# Allegro board RK_EXCAVATOR_MAIN_V12_20161114_FZBFINAL.brd (continued)
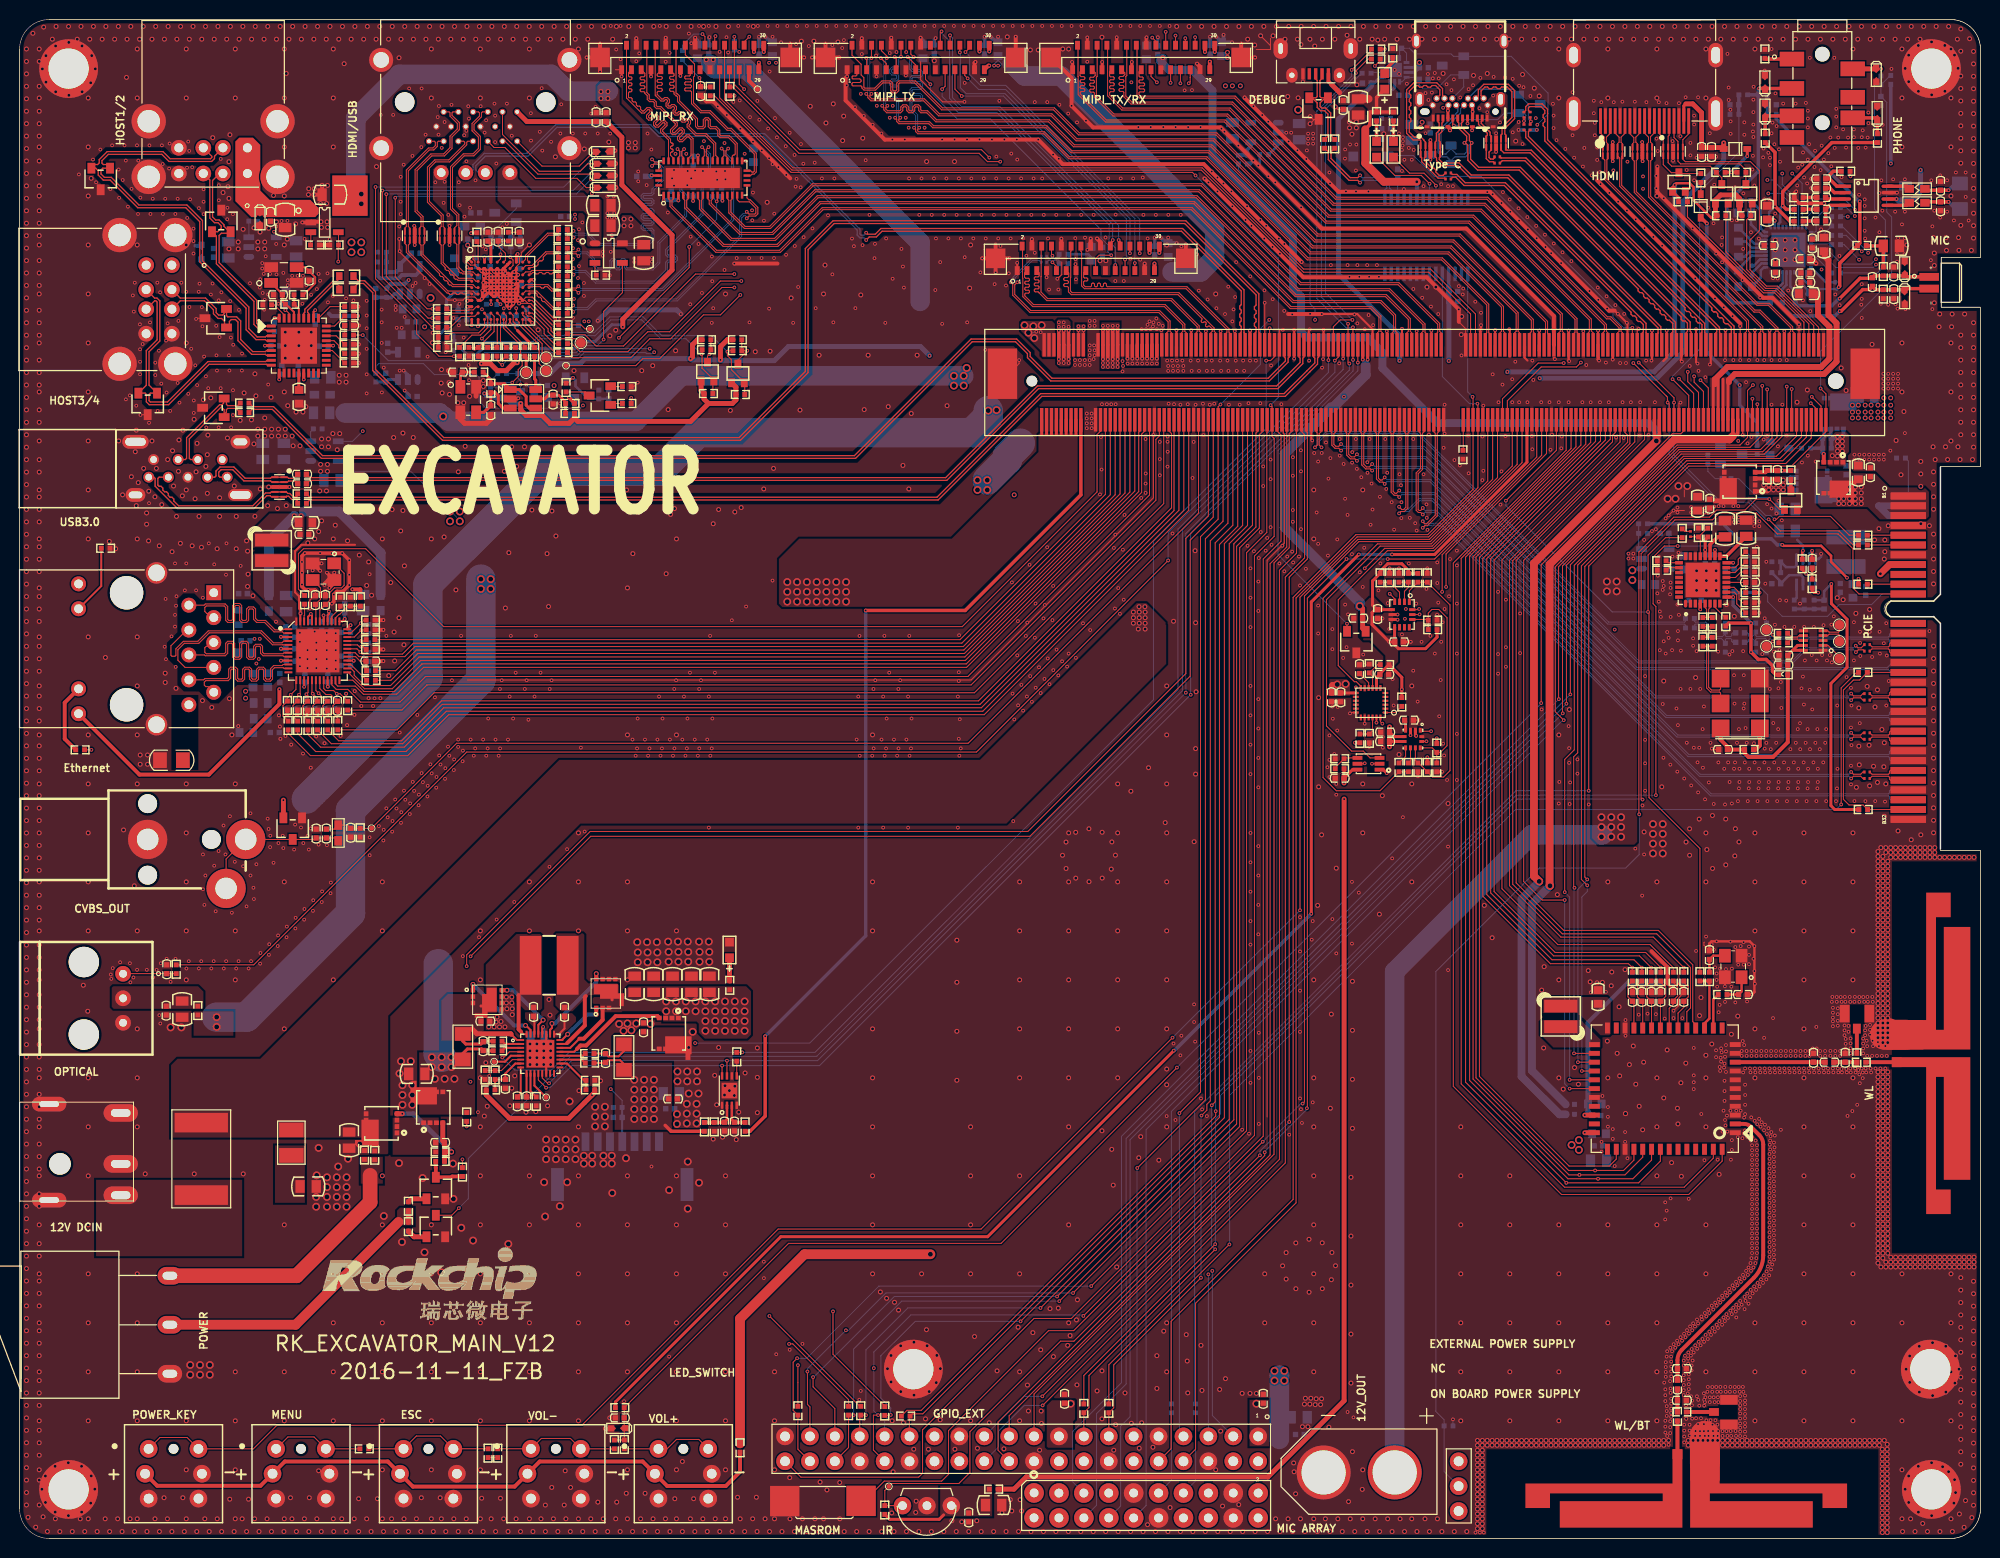
[diagram p0: board, top side]
## Nets (continued)
VCC5V0_FT232_U2: C1401.1 C1402.1 J1400.1(VUSB) LED1403.1(ANODE) R1401.2 R1402.2 U1401.20(VDD-5V)
VCC5V0_HDMI: C4501.1 C4502.2 C8502.1 C8503.2 D4501.1(A) J4501.18 J8501.18(VCC_SYS) J9001.16 J9001.18 R8505.1 R8512.1 R8516.1 R8524.1 R8526.2
VCC5V0_HOST1: C8903.1 C8905.1 ED8901.1 J8901.A1(VBUS_A) J8901.B1(VBUS_B) U8901.1(VOUT)
VCC5V0_HOST2: C8909.1 C8910.1 ED8902.1 J8902.A1(VBUS_A) J8902.B1(VBUS_B) U8905.1(VOUT)
VCC5V0_HOST3: C8924.1 C9010.1 J8501.26(VCC_HOST) U8912.1(VOUT)
VCC5V0_HOST4: C8925.1 C8944.1 CON8901.1(VBUS) U8913.1(VOUT)
VCC5V0_HOST_EN: J9001.90 R8907.1 R8908.1 U8901.4(EN) U8905.4(EN) U8912.4(EN) U8913.4(EN)
VCC5V0_HOST_EN_2: R89549.2 R89550.1 U90010.4(EN)
VCC5V0_SYS: C4602.1 C4605.1 C4704.1 C4705.1 C4707.1 C4708.1 C5005.1 C5006.1 C7127.1 C8325.1 C8940.1 C8941.1 C8942.1 C8943.1 C8946.1 C9008.1 C9009.1 C90047.1 J4601.28(VCC_SYS_0) J4601.29(VCC_SYS_1) J4601.30(VCC_SYS_2) J4701.28(VSYS_0) J4701.29(VSYS_1) J4701.30(VSYS_2) J4702.28(VSYS_0) J4702.29(VSYS_1) J4702.30(VSYS_2) J5001.28(VSYS_0) J5001.29(VSYS_1) J5001.30(VSYS_2) J7101.19 J7101.20 J9001.22 J9001.24 J9001.26 J9001.28 J9002.2(5V-1) J9002.4(5V-2) R7116.1 U7102.6(VDD) U8303.1(IN) U8901.5(IN) U8905.5(IN) U8912.5(IN) U8913.5(IN) U8914.12(VCONN_12) U8914.13(VCONN_13) U90010.5(IN)
VCC18_HDMIIN: C50037.1 C50040.2 C50063.2 Q237.1(GATE) Q8502.1(GATE) Q8503.1(GATE) R8533.2 R8540.2 R8541.2 R89530.1 R89533.1 R89536.1 R89539.1 U8503.K7(VDDIO2) U23031.5(FB/OUT)
VCC33_HDMIIN: C8508.1 C8525.2 C8526.2 C8527.2 C8528.2 C50064.1 C50066.1 L8501.2 Q8505.3(DRAIN) R8520.1 R8531.1 R89529.1 U8503.B1(AVDD33) U8503.G1(AVDD33.2) U8503.K2(VDDIO1)
VCC_1V8: J9001.273 J9001.275 R9021.1
VCC_3V0: C1404.1 C1405.1 C8008.1 J9001.128 J9001.130 Q4501.1(GATE) Q4502.1(GATE) Q4503.1(GATE) R4501.1 R4503.1 R4505.1 R89532.1 R89535.1 R89538.1 U1401.4(VDD-232) U8004.1(VDD)
VCC_BATT: BAT501.1(BAT1+) BAT501.2(BAT2+) BAT501.3(BAT3+) C515.2 C518.1 C522.1 C523.1 R513.2 R515.1 R2233.2
VCC_CHAREG: C502.1 C503.1 J9001.32 J9001.34 J9001.36 J9001.38 J9001.40 J9001.42 J9001.44 Q502.5(DRAIN5) Q502.6(DRAIN6) Q502.7(DRAIN7) Q502.8(DRAIN8) R501.1 R502.1 R506.1
VCC_CHAREG_EN: J9001.65 R501.2
VCC_DC: C501.1 C8316.1 C8317.1 F501.2 Q501.5(DRAIN5) Q501.6(DRAIN6) Q501.7(DRAIN7) Q501.8(DRAIN8) Q8301.5(DRAIN5) Q8301.6(DRAIN6) Q8301.7(DRAIN7) Q8301.8(DRAIN8) R503.1 R504.1
VCC_SYS: C505.1 C508.1 C509.1 C511.1 C512.1 J9001.1 J9001.3 J9001.5 J9001.7 J9001.9 J9001.11 J9001.13 J9001.15 Q504.2(D1_1) Q504.3(D1_2) Q504.4(D1_3) Q505.1(SOURCE1) Q505.2(SOURCE2) Q505.3(SOURCE3) R511.1 U501.22(SYS)
VCCA1V8_CODEC: C7111.1 C7112.1 C7129.1 C7130.1 C7131.1 J9001.269 J9001.271 R89545.1 U7101.8(DACREF) U7101.9(AVDD) U7101.18(CPVDD) U7101.39(DBVDD)
VCCA1V8_S3: J9001.189 R8101.2
VCCA3V0_CODEC: C7113.1 C7114.1 C7115.1 J9001.265 J9001.267 U7101.1(MICVDD)
VCCA33_PLL: C8326.1 C8327.1 C8328.1 C8329.1 C8330.1 FB8301.2 FB8302.1 R8306.1 R8307.1 R8315.2 R8328.1 R8329.1 U8302.9(VCC_VCO) U8302.16(VCC_PLL2) U8302.18(VCC_PLL1) U8302.20(VCC_IN) U8303.5(FB/OUT)
VCCA33_PLL2: C8331.1 FB8302.2 U8302.4(VCC_OUT)
VCCA33_SI: C8301.1 C8302.1 C9011.1 FB8301.1 R9016.1 U8301.9(VDD1) U8301.10(VDD2) U8916.6(VDD)
VDD1V0_RGMII: C2630.1 C2631.1 FB2601.1 FB2603.1 L2601.2
VDD12_HDMIIN: C8515.1 C8516.2 C8517.2 C8518.2 C8519.2 C8520.2 C8521.2 C8522.2 C50060.1 R8944.1 U8503.A1(AVDD12.1) U8503.A3(VDDC2.1) U8503.A8(VDD_PLL11) U8503.D10(VDD_MIPI) U8503.H1(AVDD12.2) U8503.K1(VDDC1) U8503.K10(VDDC2.2) U8911.5(FB/OUT)
VDDA: C516.2 R514.1 R516.2 U501.28(REGN)
VDDIO_WL: C6117.1 C6118.1 R6105.1 R6106.1 R6107.1 R6108.1 R6109.1 R9021.2 R9022.2 U6101.34(VDDIO)
#MIPI_RX0_CLKN: J4601.8(MIPI_CLKN) U4601.28(4B2)
#MIPI_RX0_CLKP: J4601.9(MIPI_CLKP) U4601.27(5B2)
#MIPI_RX0_D0N: J4601.14(MIPI_D0N) U4601.20(8B2)
#MIPI_RX0_D0P: J4601.15(MIPI_D0P) U4601.21(9B2)
#MIPI_RX0_D1N: J4601.11(MIPI_D1N) U4601.24(6B2)
#MIPI_RX0_D1P: J4601.12(MIPI_D1P) U4601.23(7B2)
#MIPI_RX0_D2N: J4601.5(MIPI_D2N) U4601.33(2B2)
#MIPI_RX0_D2P: J4601.6(MIPI_D2P) U4601.32(3B2)
#MIPI_RX0_D3N: J4601.2(MIPI_D3N) U4601.37(0B2)
#MIPI_RX0_D3P: J4601.3(MIPI_D3P) U4601.36(1B2)
ADKEY_IN: C8101.1 ED8101.1 J9001.253 R8101.1 R8102.1 R8103.1
ALRT_H: R9023.1 U23033.5(ALRT_N)
BATT_TC_L: BAT501.4(NTC) C521.1 J9001.92 R522.1
BOARD_ID: J9001.163 R9013.1
BT_HOST_WAKE_L: J9001.205 U6101.50(BT_HOST_WAKE)
BT_REG_ON_H: J9001.217 U6101.38(BT_REG_ON)
BT_WAKE_L: J9001.207 U6101.49(BT_WAKE)
CABC_EN: J4601.25(MIPI_PDN) J4701.21(CABC_EN) J4702.21(CABC_EN) J5001.21(CABC_EN) J9001.257
CDCM61101__REF_CLKN: R8310.1 U8302.5(OUTN)
CDCM61101__REF_CLKP: R8311.1 U8302.6(OUTP)
CHG_CC_INT_L: J9001.116 R8928.2
CHG_OK_H: J9001.118 R9023.2 U501.4(CHRG_OK)
CLK125: R2601.1 U2601.46(CLK125)
CLKN: C8308.1 R8304.2 R8308.2 R8310.2 R9017.2
CLKP: C8309.1 R8305.2 R8309.2 R8311.2 R9018.2
COMP_INT_L: J9001.177 R8001.2 R8002.1
COMP_INT_L#: R8002.2 U8001.8(DATA_RDY)
CSI_CTL: R4604.1 R9006.2 U4601.12(SEL)
CVBS_OUT: C9001.1 C9004.1 J9001.61 L9001.1 R9012.1 TP9002.1
DC_DET_H: J9001.120 Q507.3(COLLECTOR)
DDC_SCL: J4501.15 Q4501.3(DRAIN) R4502.2 U4501.2(IN2) U4501.9(OUT2)
DDC_SDA: J4501.16 Q4503.3(DRAIN) R4506.2 U4501.4(IN3) U4501.7(OUT3)
DVP_PDN1_H: J9001.193 J9002.22(GPIO25)
EDP_AUXN: C5002.1 J5001.8(LVDS_CLKN) R5002.1
EDP_AUXP: C5001.2 J5001.9(LVDS_CLKP) R5001.2
EDP_TX0N: J5001.2(LVDS_D0N) J9001.54
EDP_TX0P: J5001.3(LVDS_D0P) J9001.56
EDP_TX1N: J5001.5(LVDS_D1N) J9001.60
EDP_TX1P: J5001.6(LVDS_D1P) J9001.62
EDP_TX2N: J5001.11(LVDS_D2N) J9001.66
EDP_TX2P: J5001.12(LVDS_D2P) J9001.68
EDP_TX3N: J5001.14(LVDS_D3N) J9001.72
EDP_TX3P: J5001.15(LVDS_D3P) J9001.74
EDPAUXN: C5002.2 J9001.48
EDPAUXP: C5001.1 J9001.50
ENSWREG: R2629.2 R2631.1 U2601.38(ENSWREG)
GPIO2_A0/CIF_D0: J9001.69 J9002.7(GPIO4) R89549.1
GPIO2_A1/CIF_D1: J9001.71 J9002.11(GPIO17)
GPIO2_A2/CIF_D2: J9001.73 J9002.13(GPIO27) R9007.1
GPIO2_A3/CIF_D3: J9001.75 J9002.15(GPIO22) R9008.1
GPIO2_A4/CIF_D4: J9001.77 J9002.29(GPIO5) R9009.1
GPIO2_A5/CIF_D5: J9001.79 J9002.31(GPIO6) R89543.1
GPIO2_A6/CIF_D6: J9001.81 J9002.33(GPIO13) R9001.1
GPIO2_A7/CIF_D7: J9001.83 J9002.35(GPIO19) Q8503.3(DRAIN) R89537.2 R89538.2
GPIO2_B0/CIF_VSYNC: J9001.87 J9002.37(GPIO26) Q8502.3(DRAIN) R89534.2 R89535.2
GPIO2_B1/CIF_HREF: J9001.85 J9002.36(GPIO16) R9005.1
GPIO2_B2/CIF_CLKI: J9001.89 J9002.38(GPIO20) R9006.1
GPIO2_B3/CIF_CLKO: J9001.91 J9002.40(GPIO21) R4601.1
GPIO2_B4/DVP_PDN0_H: J9001.93 J9002.32(GPIO12) Q237.3(DRAIN) R89531.2 R89532.2
GSENSOR_INT_L: J9001.187 U8002.12(INT)
GYR_INT_L: J9001.185 U8003.4(INT1)
HALL_INT_L: J9001.126 U8004.2(OUT)
HDMI_CEC: J9001.300 Q4502.2(SOURCE) R4503.2
HDMI_RX0+: J8501.7(TX_D0+) U8503.D1(HDMI_D0P) U8505.1(IN1) U8505.10(OUT1)
HDMI_RX0-: J8501.9(TX_D0-) U8503.D2(HDMI_D0N) U8505.2(IN2) U8505.9(OUT2)
HDMI_RX1+: J8501.4(TX_D1+) U8503.E1(HDMI_D1P) U8504.4(IN3) U8504.7(OUT3)
HDMI_RX1-: J8501.6(TX_D1-) U8503.E2(HDMI_D1N) U8504.5(IN4) U8504.6(OUT4)
HDMI_RX2+: J8501.1(TX_D2+) U8503.F1(HDMI_D2P) U8504.1(IN1) U8504.10(OUT1)
HDMI_RX2-: J8501.3(TX_D2-) U8503.F2(HDMI_D2N) U8504.2(IN2) U8504.9(OUT2)
HDMI_RXC+: J8501.10(TX_CLK+) U8503.C1(HDMI_CP) U8505.4(IN3) U8505.7(OUT3)
HDMI_RXC-: J8501.12(TX_CLK-) U8503.C2(HDMI_CN) U8505.5(IN4) U8505.6(OUT4)
HDMI_TX0N: J4501.9 J9001.290 U4503.2(IN2) U4503.9(OUT2)
HDMI_TX0P: J4501.7 J9001.288 U4503.1(IN1) U4503.10(OUT1)
HDMI_TX1N: J4501.6 J9001.284 U4502.5(IN4) U4502.6(OUT4)
HDMI_TX1P: J4501.4 J9001.282 U4502.4(IN3) U4502.7(OUT3)
HDMI_TX2N: J4501.3 J9001.278 U4502.2(IN2) U4502.9(OUT2)
HDMI_TX2P: J4501.1($PIN0) J9001.276 U4502.1(IN1) U4502.10(OUT1)
HDMI_TXCN: J4501.12 J9001.296 U4503.5(IN4) U4503.6(OUT4)
HDMI_TXCP: J4501.10 J9001.294 U4503.4(IN3) U4503.7(OUT3)
HDMIIN_CEC: ED8501.1 J8501.13(CEC) R8520.2 R8521.1
HDMIIN_DDC_SCL: ED8502.1 J8501.15(SCL) R8516.2 R8517.1
HDMIIN_DDC_SDA: ED8503.1 J8501.16(SDA) R8512.2 R8513.1
HDMIIN_HPD: ED8504.1 J8501.19(HPD) R8505.2 R8527.1
HDMIIN_INT: Q237.2(SOURCE) R8533.1 R8537.2 R89531.1 R89533.2 U8503.J4(INT)
HDMIIN_PWREN: R8946.1 R9001.2
HDMIIN_PWREN18: R9005.2 R89527.1
HDMIIN_PWREN33: R8545.1 R89543.2
HDMIIN_RST: Q8503.2(SOURCE) R89537.1 R89539.2 U8503.K6(RESETN)
HDMIIN_STBY: Q8502.2(SOURCE) R89534.1 R89536.2 U8503.K4(STBY)
HOST0_DM: J9001.84 R8904.2
HOST0_DP: J9001.86 R8903.2
HOST1_DM: J8501.27(USB_DM) J9001.78
HOST1_DP: J8501.28(USB_DP) J9001.80
HOST_D1M: J8901.A2(D-_A) U8903.2 U8904.1(USBDM1)
HOST_D1P: J8901.A3(D+_A) U8903.1 U8904.2(USBDP1)
HOST_D2M: J8901.B2(D-_B) U8902.1 U8904.3(USBDM2)
HOST_D2P: J8901.B3(D+_B) U8902.2 U8904.4(USBDP2)
HOST_D3M: J8902.A2(D-_A) U8904.6(USBDM3) U8907.2
HOST_D3P: J8902.A3(D+_A) U8904.7(USBDP3) U8907.1
HOST_D4M: J8902.B2(D-_B) U8904.8(USBDM4) U8906.1
HOST_D4P: J8902.B3(D+_B) U8904.9(USBDP4) U8906.2
HP_DET_H: C7123.1 J9001.311 R7105.1 R7121.1 R89545.2
HP_HOOK: C7119.2 J9001.255 R7118.2 R7120.1
HPOL: R7124.1 R7128.1 U7101.23(HPO_L)
HPOR: R7122.1 R7126.1 U7101.21(HPO_R)
HUB_3V3: C8912.2 C8913.2 C8914.2 C8915.2 C8916.2 C8917.2 C8918.2 L8901.1 R8906.1 U8904.5(VDD33-4) U8904.10(VDD33-3) U8904.15(VDD33-2) U8904.23(VDD33-1) U8904.29(VDD33-6) U8904.36(VDD33-5)
HUB_RESET: C8907.2 R8907.2 U8904.26(RESET_N)
I2C4_SCL_HDMI: R8540.1 R8543.2 U8503.J5(I2C_SCL)
I2C4_SDA_HDMI: R8541.1 R8542.2 U8503.K5(I2C_SDA)
I2C_SCL_AUDIO: J7101.16 J9001.309 R8543.1 U7101.35(SCL)
I2C_SCL_BAT: J9001.122 J9002.5(SCL) R89546.2 U501.13(SCL) U23033.7(SCL)
I2C_SCL_CAM: J4601.23(MIPI_SCL) J9001.249 R4602.1 R8316.1
I2C_SCL_HDMI: J9001.302 Q4501.2(SOURCE) R4501.2
I2C_SCL_MEMS: J9001.195 U8001.1(SCL/SPC) U8002.23(SCL/SCLK) U8003.13(SCL/SPC) U8005.5(SCLK)
I2C_SCL_PCIE: J8301.B5(SMCLK) R8316.2
I2C_SCL_TP: J4701.23(TP_SCL) J4702.23(TP_SCL) J5001.23(TP_SCL) R4602.2
I2C_SDA_AUDIO: J7101.15 J9001.307 R8542.1 U7101.36(SDA)
I2C_SDA_BAT: J9001.124 J9002.3(SDA) R89547.2 U501.12(SDA) U23033.8(SDA)
I2C_SDA_CAM: J4601.24(MIPI_SDA) J9001.247 R4603.1 R8317.1
I2C_SDA_HDMI: J9001.304 Q4503.2(SOURCE) R4505.2
I2C_SDA_MEMS: J9001.197 U8001.11(SDA/SDI/SDO) U8002.24(SDA/SDI) U8003.14(SDA/SDI/SDO) U8005.2(SDAT)
I2C_SDA_PCIE: J8301.B6(SMDAT) R8317.2
I2C_SDA_TP: J4701.24(TP_SDA) J4702.24(TP_SDA) J5001.24(TP_SDA) R4603.2
I2S0_LRCK_RX: J7101.7 J9001.283 R7109.1
I2S0_LRCK_RX_HDMIIN: R8529.2 U7101.28(LRCK2)
I2S0_LRCK_TX: J7101.5 J9001.285 R7110.1
I2S0_SCLK: J7101.3 J9001.281 R7111.1
I2S0_SCLK_HDMIIN: R8528.2 U7101.29(BCLK2)
I2S0_SDI0: J7101.2 J9001.287 R7107.1
I2S0_SDI0_HDMIIN: R8530.2 U7101.27(DACDAT2)
I2S0_SDI1: J7101.10 J9001.289
I2S0_SDO0: J7101.4 J9001.295 R7108.1
I2S0_SDO1: J7101.6 J9001.293
I2S0_SDO2: J7101.8 J9001.291
I2S1_LRCK_RX_BT_PCM: J9001.301 U6101.27(PCM_SYNC)
I2S1_SCLK_BT_PCM: J9001.299 U6101.30(PCM_CLK)
I2S1_SDI0_BT_PCM: J9001.303 U6101.29(PCM_OUT)
I2S1_SDO0_BT_PCM: J9001.305 U6101.28(PCM_IN)
I2S_ADCDAT: R7107.2 U7101.30(ADCDAT1)
I2S_BCLK: R7111.2 U7101.33(BCLK1)
I2S_CLK: J7101.1 J9001.297 R7112.1
I2S_CLK_HDMIIN: R8534.2 TP50265.1
I2S_DACDAT: R7108.2 U7101.31(DACDAT1)
I2S_LRCK: R7109.2 R7110.2 U7101.32(LRCK1)
I2S_MCLK: R7112.2 U7101.34(MCLK)
I2S_MUTE: J7101.11 R7104.2
I2S_RST: J7101.13 R7105.2
INTB: R2625.2 R2634.1 U2601.20(INTB)
IR_RX: IR9001.1(IR) J9001.105 R9014.2 TP50262.1
ISP_FLASHTRIGOUT: J4601.22(FLASH_TRIG) J9001.166
ISP_PRELIGHT_TRIG: J4601.21(PRE_TRIG) J9001.164
LCD_BL_PWM: J4701.17(LCD_PWM_IN) J4702.17(LCD_PWM_IN) J5001.17(LCD_PWM_IN) J9001.263
LCD_EN_H: J4601.26(MIPI_RST) J4701.22(LED_EN) J4702.22(LED_EN) J5001.22(LED_EN) J9001.261
LCD_RST_H: J4601.20(AF_CTL) J4701.20(LCD_RST) J4702.20(LCD_RST) J5001.20(LCD_RST) J9001.259
LED: R9015.2 U8101.6(LED+) U8102.6(LED+) U8104.6(LED+) U8105.6(LED+) U8917.6(LED+)
LED0_AD0: R2602.2 R2603.1 R2637.1 U2601.34(LED0/PHYAD0)
LED1_AD1: J2601.11(G+) R2604.2 R2605.1 U2601.35(LED1/PHYAD1)
LED2_RXDLY: R2611.2 R2612.1 U2601.32(LED2_RXDLY)
LIGHT_INT_L: J9001.183 U8005.3(INT)
LSM_CS: R8009.1 R8011.2 R8017.1 R8019.2 U8001.10(CS/SPI) U8003.12(CS)
LSM_SA0: R8008.1 R8010.2 R8016.1 R8018.2 U8001.9(SDO/SA1) U8003.1(SDO/SA0)
MAC_COL: J9001.23 R2632.2
MAC_CRS: J9001.29 R2633.2
MAC_MCLK: J9001.21 R2601.2
MAC_MDC: J9001.27 U2601.30(MDC)
MAC_MDIO: J9001.25 R2626.2 U2601.31(MDIO)
MAC_RXCLK: J9001.47 R2610.2
MAC_RXD0: J9001.55 R2620.2
MAC_RXD1: J9001.53 R2621.2
MAC_RXD2: J9001.51 R2622.2
MAC_RXD3: J9001.49 R2623.2
MAC_RXDV: J9001.57 R2619.2
MAC_RXER: J9001.45 R2634.2
MAC_TXCLK: J9001.41 U2601.22(TXC)
MAC_TXD0: J9001.39 U2601.23(TXD0)
MAC_TXD1: J9001.37 U2601.24(TXD1)
MAC_TXD2: J9001.35 U2601.25(TXD2)
MAC_TXD3: J9001.33 U2601.26(TXD3)
MAC_TXEN: J9001.31 R2627.2
MASROM_KEY: J9001.175 SW2.1
MDI0+: J2601.2(MDI0+) U2601.1(MDI[0]+)
MDI0-: J2601.3(MDI0-) U2601.2(MDI[0]-)
MDI1+: J2601.4(MDI1+) U2601.4(MDI[1]+)
MDI1-: J2601.7(MDI1-) U2601.5(MDI[1]-)
MDI2+: J2601.5(MDI2+) U2601.7(MDI[2]+)
MDI2-: J2601.6(MDI2-) U2601.8(MDI[2]-)
MDI3+: J2601.8(MDI3+) U2601.10(MDI[3]+)
MDI3-: J2601.9(MDI3-) U2601.11(MDI[3]-)
MIC_IN1P: C7102.1 ED7104.1 J7103.2 R7119.2 R7120.2
MIC_IN2N: C2501.1 C2507.2 C2510.1 ED2501.1 MIC2500.2 R2504.1
MIC_IN2P: C2500.1 C2507.1 C2509.1 ED2500.1 MIC2500.1 R2500.1
MICBIAS1: R2501.2 R7117.1 U7101.2(MICBIAS1)
MIPI_MCLK0: C4601.1 R4601.2 R89548.1
MIPI_MCLK_T2: J4601.18(GND_6) J4702.18(GND_6) R89548.2
MIPI_RX0_CLKN: J9001.146 U4601.8(A4)
MIPI_RX0_CLKP: J9001.148 U4601.9(A5)
MIPI_RX0_D0N: J9001.158 U4601.14(A8)
MIPI_RX0_D0P: J9001.160 U4601.15(A9)
MIPI_RX0_D1N: J9001.152 U4601.10(A6)
MIPI_RX0_D1P: J9001.154 U4601.11(A7)
MIPI_RX0_D2N: J9001.140 U4601.5(A2)
MIPI_RX0_D2P: J9001.142 U4601.6(A3)
MIPI_RX0_D3N: J9001.134 U4601.2(A0)
MIPI_RX0_D3P: J9001.136 U4601.3(A1)
MIPI_RX_CLKN: R8510.2 U4601.30(4B1)
MIPI_RX_CLKP: R8509.2 U4601.29(5B1)
MIPI_RX_D0N: R8514.2 U4601.16(8B1)
MIPI_RX_D0P: R8511.2 U4601.18(9B1)
MIPI_RX_D1N: R8518.2 U4601.26(6B1)
MIPI_RX_D1P: R8515.2 U4601.25(7B1)
MIPI_RX_D2N: R8522.2 U4601.35(2B1)
MIPI_RX_D2P: R8519.2 U4601.34(3B1)
MIPI_RX_D3N: R8525.2 U4601.39(0B1)
MIPI_RX_D3P: R8523.2 U4601.38(1B1)
MIPI_TX0_CLKN: J4701.8(LVDS_CLKN) J9001.184
MIPI_TX0_CLKP: J4701.9(LVDS_CLKP) J9001.182
MIPI_TX0_D0N: J4701.14(LVDS_D3N) J9001.172
MIPI_TX0_D0P: J4701.15(LVDS_D3P) J9001.170
MIPI_TX0_D1N: J4701.11(LVDS_D2N) J9001.176
MIPI_TX0_D1P: J4701.12(LVDS_D2P) J9001.178
MIPI_TX0_D2N: J4701.5(LVDS_D1N) J9001.188
MIPI_TX0_D2P: J4701.6(LVDS_D1P) J9001.190
MIPI_TX0_D3N: J4701.2(LVDS_D0N) J9001.196
MIPI_TX0_D3P: J4701.3(LVDS_D0P) J9001.194
MIPI_TX1/RX1_CLKN: J4702.8(LVDS_CLKN) J9001.212
MIPI_TX1/RX1_CLKP: J4702.9(LVDS_CLKP) J9001.214
MIPI_TX1/RX1_D0N: J4702.14(LVDS_D3N) J9001.224
MIPI_TX1/RX1_D0P: J4702.15(LVDS_D3P) J9001.226
MIPI_TX1/RX1_D1N: J4702.11(LVDS_D2N) J9001.218
MIPI_TX1/RX1_D1P: J4702.12(LVDS_D2P) J9001.220
MIPI_TX1/RX1_D2N: J4702.5(LVDS_D1N) J9001.206
MIPI_TX1/RX1_D2P: J4702.6(LVDS_D1P) J9001.208
MIPI_TX1/RX1_D3N: J4702.2(LVDS_D0N) J9001.200
MIPI_TX1/RX1_D3P: J4702.3(LVDS_D0P) J9001.202
MPU_AD0: R8004.2 R8007.2 U8002.9(SDO/AD0)
MPU_CS: R8003.1 R8006.2 U8002.22(NCS)
PCIE_3V3: C904.1 C8314.1 C8315.1 C8337.1 J8301.A9(+3.3V_A9) J8301.A10(+3.3V_A10) J8301.B8(+3.3V_B8) L900.2 R906.1 R8302.1 R8335.1 R9019.2
PCIE_12V: C905.1 C906.1 C8318.1 C8319.1 C8320.1 C8341.1 J8301.A2(+12V_A2) J8301.A3(+12V_A3) J8301.B1(+12V_B1) J8301.B2(+12V_B2) J8301.B3(+12V_B3) Q8302.5(DRAIN5) Q8302.6(DRAIN6) Q8302.7(DRAIN7) Q8302.8(DRAIN8) Q8306.5(DRAIN5) Q8306.6(DRAIN6) Q8306.7(DRAIN7) Q8306.8(DRAIN8) R905.1 U900.2(IN)
PCIE_CLKN: C8308.2 J8301.A14(REFCLK_N) R8303.2 R8306.2 R8312.1 TP8302.1
PCIE_CLKP: C8309.2 J8301.A13(REFCLK_P) R8301.2 R8307.2 R8313.1 TP8304.1
PCIE_PERST#: J8301.A11(P\E\R\S\T\#) R9009.2
PCIE_PRSNT: R8318.2 R9007.2
PCIE_PRSNTX1: J8301.B17(PRSNT2#_1) J8301.B31(PRSNT2#_2) R8318.1 R9019.1
PCIE_REF_CLKN: J9001.111 R8308.1
PCIE_REF_CLKP: J9001.109 R8309.1
PCIE_RX0_N: J8301.A17(HSIN(0)) J9001.121
PCIE_RX0_P: J8301.A16(HSIP(0)) J9001.123
PCIE_RX1_N: J8301.A22(HSIN(1)) J9001.133
PCIE_RX1_P: J8301.A21(HSIP(1)) J9001.135
PCIE_RX2_N: J8301.A26(HSIN(2)) J9001.147
PCIE_RX2_P: J8301.A25(HSIP(2)) J9001.145
PCIE_RX3_N: J8301.A30(HSIN(3)) J9001.159
PCIE_RX3_P: J8301.A29(HSIP(3)) J9001.157
PCIE_SWITCH: J8303.2 Q8307.1(GATE) R8333.1 R89540.2
PCIE_TX0_N: C8304.2 J8301.B15(HSON(0))
PCIE_TX0_P: C8303.2 J8301.B14(HSOP(0))
PCIE_TX0N: C8304.1 J9001.115
PCIE_TX0P: C8303.1 J9001.117
PCIE_TX1_N: C8306.2 J8301.B20(HSON(1))
PCIE_TX1_P: C8305.2 J8301.B19(HSOP(1))
PCIE_TX1N: C8306.1 J9001.127
PCIE_TX1P: C8305.1 J9001.129
PCIE_TX2_N: C8310.2 J8301.B24(HSON(2))
PCIE_TX2_P: C8307.2 J8301.B23(HSOP(2))
PCIE_TX2N: C8310.1 J9001.139
PCIE_TX2P: C8307.1 J9001.141
PCIE_TX3_N: C8312.2 J8301.B28(HSON(3))
PCIE_TX3_P: C8311.2 J8301.B27(HSOP(3))
PCIE_TX3N: C8312.1 J9001.151
PCIE_TX3P: C8311.1 J9001.153
PCIE_WAKE#: J8301.B11(W\A\K\E\#) R9008.2
PHONE_DET: ED7102.1 J7103.5 R7103.2 R7121.2
PHY_XTAL1: C2603.1 U2601.42(CKXTAL1) Y2601.1(XIN)
PHY_XTAL2: C2604.1 U2601.43(CKXTAL2) Y2601.3(XOUT)
PHYRSTB: C2602.1 R2628.2 R2633.1 U2601.29(PHYRSTB)
PMEB: R2624.2 R2632.1 U2601.33(PMEB)
PORT_CEC: J4501.13 Q4502.3(DRAIN) R4504.2 U4501.1(IN1) U4501.10(OUT1)
PORT_HPD: J4501.19 J9001.306 U4501.5(IN4) U4501.6(OUT4)
POWER_KEY: J9001.173 U8917.1(KEY1) U8917.2(KEY2)
REFCLK_25M: C8313.1 R8321.2
REGOUT: L2601.1 U2601.48(REGOUT)
RGMII_GR-: J2601.12(G-) R2636.2
RGMII_YE-: J2601.13(Y-) R2637.2
RK3399_26M_OUT: J9001.201 R6110.1 R8321.1
RSET: R2630.1 U2601.39(RSET)
RTC_CLKO_WIFI: J9001.237 U6101.31(LPO)
RX_CLK: C2601.1 R2610.1 U2601.19(RXC)
RXCTL_AD2: R2606.2 R2607.1 R2619.1 U2601.13(RXCTL/PHYAD2)
RXD0: R2613.2 R2614.1 R2620.1 U2601.14(RXD0/SELRGV)
RXD1_TXDLY: R2608.2 R2609.1 R2621.1 U2601.16(RXD1/TXDLY)
RXD2_AN0: R2615.2 R2616.1 R2622.1 U2601.17(RXD2/AN0)
RXD3_AN1: R2617.2 R2618.1 R2623.1 U2601.18(RXD3/AN1)
SDIO0_CLK: J9001.227 R6118.2
SDIO0_CMD: J9001.229 R6109.2 R6117.2
SDIO0_D0: J9001.221 R6106.2 R6113.2
SDIO0_D1: J9001.219 R6105.2 R6114.2
SDIO0_D2: J9001.223 R6108.2 R6115.2
SDIO0_D3: J9001.225 R6107.2 R6116.2
SDIO_CLK: C6114.2 R6118.1 U6101.18(SDIO_DATA_CLK)
SDIO_CMD: C6111.2 R6117.1 U6101.17(SDIO_DATA_CMD)
SDIO_D0: C6107.2 R6113.1 U6101.21(SDIO_DATA_0)
SDIO_D1: C6108.2 R6114.1 U6101.22(SDIO_DATA_1)
SDIO_D2: C6109.2 R6115.1 U6101.20(SDIO_DATA_2)
SDIO_D3: C6110.2 R6116.1 U6101.19(SDIO_DATA_3)
SPDIF_TX: J9001.114 R7114.1
SPI1_CLK: J9001.101 J9002.23(SCLK)
SPI1_CSN0: J9001.103 J9002.24(CS0)
SPI1_RXD: J9001.97 J9002.21(MISO)
SPI1_TXD: J9001.99 J9002.19(MOSI)
SPK_CTL_H: J9001.279 R7104.1 R7123.1
TOUCH_INT_L: J4701.25(TP_INT) J4702.25(TP_INT) J5001.25(TP_INT) J9001.179
TOUCH_RST_L: J4701.26(TP_RST) J4702.26(TP_RST) J5001.26(TP_RST) J9001.181
TXCTL: R2627.1 U2601.27(TXCTL)
TYPEC0_DM: J8903.A7(DM1) J8903.B7(DM2) J9001.246 U90007.1
TYPEC0_DP: J8903.A6(DP1) J8903.B6(DP2) J9001.248 U90007.2
TYPEC0_RX1N: J8903.B10(SSRX1_N) J9001.260 U90006.5(IN4) U90006.6(OUT4)
TYPEC0_RX1P: J8903.B11(SSRX1_P) J9001.258 U90006.4(IN3) U90006.7(OUT3)
TYPEC0_RX2N: J8903.A10(SSRX2_N) J9001.242 U90005.5(IN4) U90005.6(OUT4)
TYPEC0_RX2P: J8903.A11(SSRX2_P) J9001.240 U90005.4(IN3) U90005.7(OUT3)
TYPEC0_SBU1: C8927.1 J9001.264
TYPEC0_SBU1_DC: J9001.272 R8924.1
TYPEC0_SBU2: C8929.1 J9001.266
TYPEC0_SBU2_DC: J9001.270 R8925.1
TYPEC0_TX1N: C8931.1 J9001.252
TYPEC0_TX1P: C8932.1 J9001.254
TYPEC0_TX2N: C8933.1 J9001.234
TYPEC0_TX2P: C8934.1 J9001.236
TYPEC0_U2VBUSDET: C8939.1 D8901.2(CATHODE) J9001.230 R8930.2 R8933.2
TYPEC_AUXM: C8929.2 J8903.B8(SBU2) R8925.2 R8927.1 U90009.2
TYPEC_AUXP: C8927.2 J8903.A8(SBU1) R8924.2 R8926.1 U90009.1
TYPEC_CC1: C8930.1 J8903.A5(CC1) U8914.10(CC1_10) U8914.11(CC1_11) U90008.1
TYPEC_CC2: C8928.1 J8903.B5(CC2) U8914.1(CC2_1) U8914.14(CC2_14) U90008.2
TYPECTX1N: C8931.2 J8903.A3(SSTX1_N) U90006.1(IN1) U90006.10(OUT1)
TYPECTX1P: C8932.2 J8903.A2(SSTX1_P) U90006.2(IN2) U90006.9(OUT2)
TYPECTX2N: C8933.2 J8903.B3(SSTX2_N) U90005.1(IN1) U90005.10(OUT1)
TYPECTX2P: C8934.2 J8903.B2(SSTX2_P) U90005.2(IN2) U90005.9(OUT2)
UART0_CTS: J9001.211 J9002.12(GPIO18) U6101.42(UART_RTS_N)
UART0_RTS: J9001.209 J9002.26(CS1) U6101.43(UART_CTS_N)
UART0_RXD: J9001.215 J9002.16(GPIO23) U6101.40(UART_TXD)
UART0_TXD: J9001.213 J9002.18(GPIO24) U6101.41(UART_RXD)
UART2DBG_RX: J9001.167 J9002.10(RX) U1401.1(TXD)
UART2DBG_TX: J9001.169 J9002.8(TX) U1401.5(RXD)
USB3_DM: J9001.98 R8916.1
USB3_DP: J9001.96 R8917.1
USB3_SSRXN: J9001.110 R8918.1
USB3_SSRXN_: CON8901.5(RX-) R8918.2 U90004.5(IN4) U90004.6(OUT4)
USB3_SSRXP: J9001.108 R8919.1
USB3_SSRXP_: CON8901.6(RX+) R8919.2 U90004.4(IN3) U90004.7(OUT3)
USB3_SSTXN: C8922.2 J9001.102
USB3_SSTXN_: C8922.1 CON8901.8(TX-) U90004.1(IN1) U90004.10(OUT1)
USB3_SSTXP: C8923.2 J9001.104
USB3_SSTXP_: C8923.1 CON8901.9(TX+) U90004.2(IN2) U90004.9(OUT2)
WIFI_HOST_WAKE_L: J9001.231 U6101.16(WL_HOST_WAKE)
WIFI_REG_ON_H: J9001.233 U6101.15(WL_REG_ON)
XIN: C8906.1 R8905.1 U8904.33(XTALIN) Y8901.1(XIN)
XOU: R8901.2 R8905.2 U8904.32(XTALOUT)
XTAL_IN: C6112.1 R6111.1 Y6101.1(XIN)
XTAL_OUT: C6113.1 R6112.1 Y6101.3(XOUT)
N14667482: R8103.2 R8104.1 U8102.1(KEY1) U8102.2(KEY2)
N14667522: R8105.2 R8106.1 U8104.1(KEY1) U8104.2(KEY2)
N14667546: R8102.2 U8101.1(KEY1) U8101.2(KEY2)
N14667566: R8104.2 R8105.1
N14671330: R8909.1 U8901.3(OCB)
N14684912: F501.1 J508.1
N14685622: C513.1 R503.2
N14693910: J4601.27(DVP_PWR) TP4601.1
N14716756: C8001.2 U8001.4(C1)
N14717380: C8007.1 U8002.10(REGOUT)
N14717604: R8012.1 R8013.1 U8003.2(SDX)
N14717616: R8014.1 R8015.1 U8003.3(SCX)
N14726578: LED1401.1(ANODE) R1401.1
N14726582: LED1402.1(ANODE) R1402.1
N14726626: LED1402.2(CATHODE) U1401.22(CBUS1)
N14726638: LED1401.2(CATHODE) U1401.23(CBUS0)
N14726772: LED1403.2(CATHODE) R1403.1
N14726800: R1405.1 U1401.15(DP)
N14726864: R1404.1 U1401.16(DM)
N14726968: J1400.2(DM) R1404.2 U1402.1
N14726972: J1400.3(DP) R1405.2 U1402.2
N14732562: C7118.1 R7117.2 R7119.1
N14733597: C7128.1 R7128.2
N14733659: C7126.2 C7128.2 U7102.4(IN-)
N14736608: J8301.B10(3.3VAUX) R8302.2
N14737870: J8301.A1(P\R\S\N\T\1\#) R9020.1
N14785945: R8020.1 R8021.1 U8005.4(SET)
N14787285: C7116.1 C7117.1 J7102.2(VCC) R7116.2
N14787335: C7110.1 J7102.1(GND) R7114.2
N14851345: C506.1 Q501.1(SOURCE1) Q501.2(SOURCE2) Q501.3(SOURCE3) Q502.1(SOURCE1) Q502.2(SOURCE2) Q502.3(SOURCE3) R505.1
N14851495: C506.2 Q501.4(GATE) Q502.4(GATE) R505.2 R509.1
N14852037: Q506.3(COLLECTOR) R509.2 R89551.1
N14855408: R504.2 R508.1 S501.1(P1)
N14862511: Q505.4(GATE) U501.21(B\A\T\D\R\V\)
N14863419: C514.1 C515.1 Q505.5(DRAIN5) Q505.6(DRAIN6) Q505.7(DRAIN7) Q505.8(DRAIN8) R510.1 R513.1
N14863693: R510.2 U501.20(SRP)
N14864742: R515.2 U501.19(SRN)
N14884014: Q506.1(BASE) R512.2
N14884183: Q507.1(BASE) R519.1
N15005309: C6101.2 C6103.1 R6101.1 R6102.1
N15005313: C6101.1 C6102.1 U6101.9(WL_ANT1)
N15005477: R6110.2 R6112.2 U6101.14(XTAL_IN)
N15005619: R6111.2 U6101.13(XTAL_OUT)
N15005623: C6104.2 C6106.1 R6103.1 R6104.1
N15005627: C6104.1 C6105.1 U6101.2(WL/BT_ANT0)
N15005917: L6101.2 U6101.26(VIN_LDO_OUT)
N15006595: C6115.1 L6101.1 U6101.25(VIN_LDO)
N15006749: ANT6102.1(ANT) R6102.2
N15007219: ANT6101.1(ANT) R6101.2
N15007245: ANT6104.1(ANT) R6104.2
N15016224: C8323.1 Q8301.1(SOURCE1) Q8301.2(SOURCE2) Q8301.3(SOURCE3) Q8302.1(SOURCE1) Q8302.2(SOURCE2) Q8302.3(SOURCE3) R8330.1
N15016272: C8323.2 Q8301.4(GATE) Q8302.4(GATE) R8330.2 R8332.1
N15016378: Q8304.3(DRAIN) R8332.2
N15016398: Q8303.3(COLLECTOR) Q8304.1(GATE) R8331.1
N15017275: C8333.1 Q8305.1(SOURCE1) Q8305.2(SOURCE2) Q8305.3(SOURCE3) Q8306.1(SOURCE1) Q8306.2(SOURCE2) Q8306.3(SOURCE3) R8337.1
N15017323: C8333.2 Q8305.4(GATE) Q8306.4(GATE) R8337.2 R8338.1
N15017407: Q8307.3(DRAIN) R8338.2
N15018846: Q8303.1(BASE) R8333.2 R8334.2
N15062867: C7105.1 U7101.22(CPVEE)
N15062889: C7106.1 U7101.19(CPVPP)
N15062931: C7104.1 U7101.14(CPN2)
N15062935: C7104.2 U7101.15(CPP2)
N15062965: C7103.1 U7101.16(CPN1)
N15062969: C7103.2 U7101.17(CPP1)
N15063107: C7101.2 U7101.11(VREF)
N15063119: R7106.1 U7101.20(CPVREF)
N15063155: TP7104.1 U7101.40(DCVDD)
N15063255: R7103.1 U7101.37(GPIO1/IRQ1)
N15063549: TP7103.1 U7101.3(JD1)
N15063579: TP7101.1 U7101.12(LOUTL/P)
N15063597: TP7102.1 U7101.13(LOUTR/N)
N15064277: C7102.2 U7101.7(IN3P)
N15065593: C9001.2 C9005.1 D9001.3(K) J9003.2(R) J9003.3(L) L9001.2
N15067353: C9002.1 C9003.1 IR9001.3 R9011.2 R9014.1
N15083301: R512.1 R519.2 S501.2(P2)
N15134350: R8915.1 U8905.3(OCB)
N15156394: LED501.1(ANODE) R511.2
N15173581: CON8901.2(D-) R8916.2 U8909.1
N15173585: CON8901.3(D+) R8917.2 U8909.2
N15174093: R8923.1 U8913.3(OCB)
N15325259: R8910.2 U8904.28(NON_REM)
N15325289: R8912.2 U8904.24(SCL)
N15325321: R8911.2 U8904.25(HS_IND/CFG_SEL)
N15325477: C8919.2 U8904.14(CRFILT)
N15325611: R8904.1 U8904.30(USBDM_UP)
N15325615: R8903.1 U8904.31(USBDP_UP)
N15325641: C8902.1 U8904.34(PLLFILT)
N15325671: R8902.1 U8904.35(RBIAS)
N15325713: R8913.2 U8904.22(SDA)
N15325815: R8906.2 U8904.27(VBUS_DET)
N15325983: C8901.1 R8901.1 Y8901.3(XOUT)
N15378271: R8335.2 R8336.1 U8303.3(S\H\D\N\)
N15378353: C8332.1 U8303.4(BP)
N15380549: C8313.2 R8314.1 R8315.1 U8302.21(XIN)
N15380862: C8322.1 U8302.19(REG_CAP1)
N15380875: C8321.1 U8302.17(REG_CAP2)
N15381535: R8328.2 U8302.7(CE)
N15386584: C8324.1 R8329.2 U8302.12(R\S\T\N\)
N15387466: R8320.2 U8302.25(PR0)
N15387470: R8322.2 U8302.26(PR1)
N15389997: R8324.2 U8302.14(OD1)
N15412125: R8323.2 U8302.13(OD0)
N15412129: R8325.2 U8302.15(OD2)
N15412144: R8326.2 U8302.11(OS0)
N15412148: R8327.2 U8302.10(OS1)
N15446354: TP8301.1 U8301.2(REFOUT)
N15446570: TP8303.1 U8301.4(DIFF1)
